# Altium PCB FanSystem-V1.0.PcbDoc (part 1 of 2)
Units mil, origin at the board's own origin, x right, y up, seen from the top; angles counter-clockwise.
Board outline 2755.91 x 2755.91 mil, 2 copper layers (Top Layer, Bottom Layer); 97 components, 83 nets, 334 pads, 122 vias.
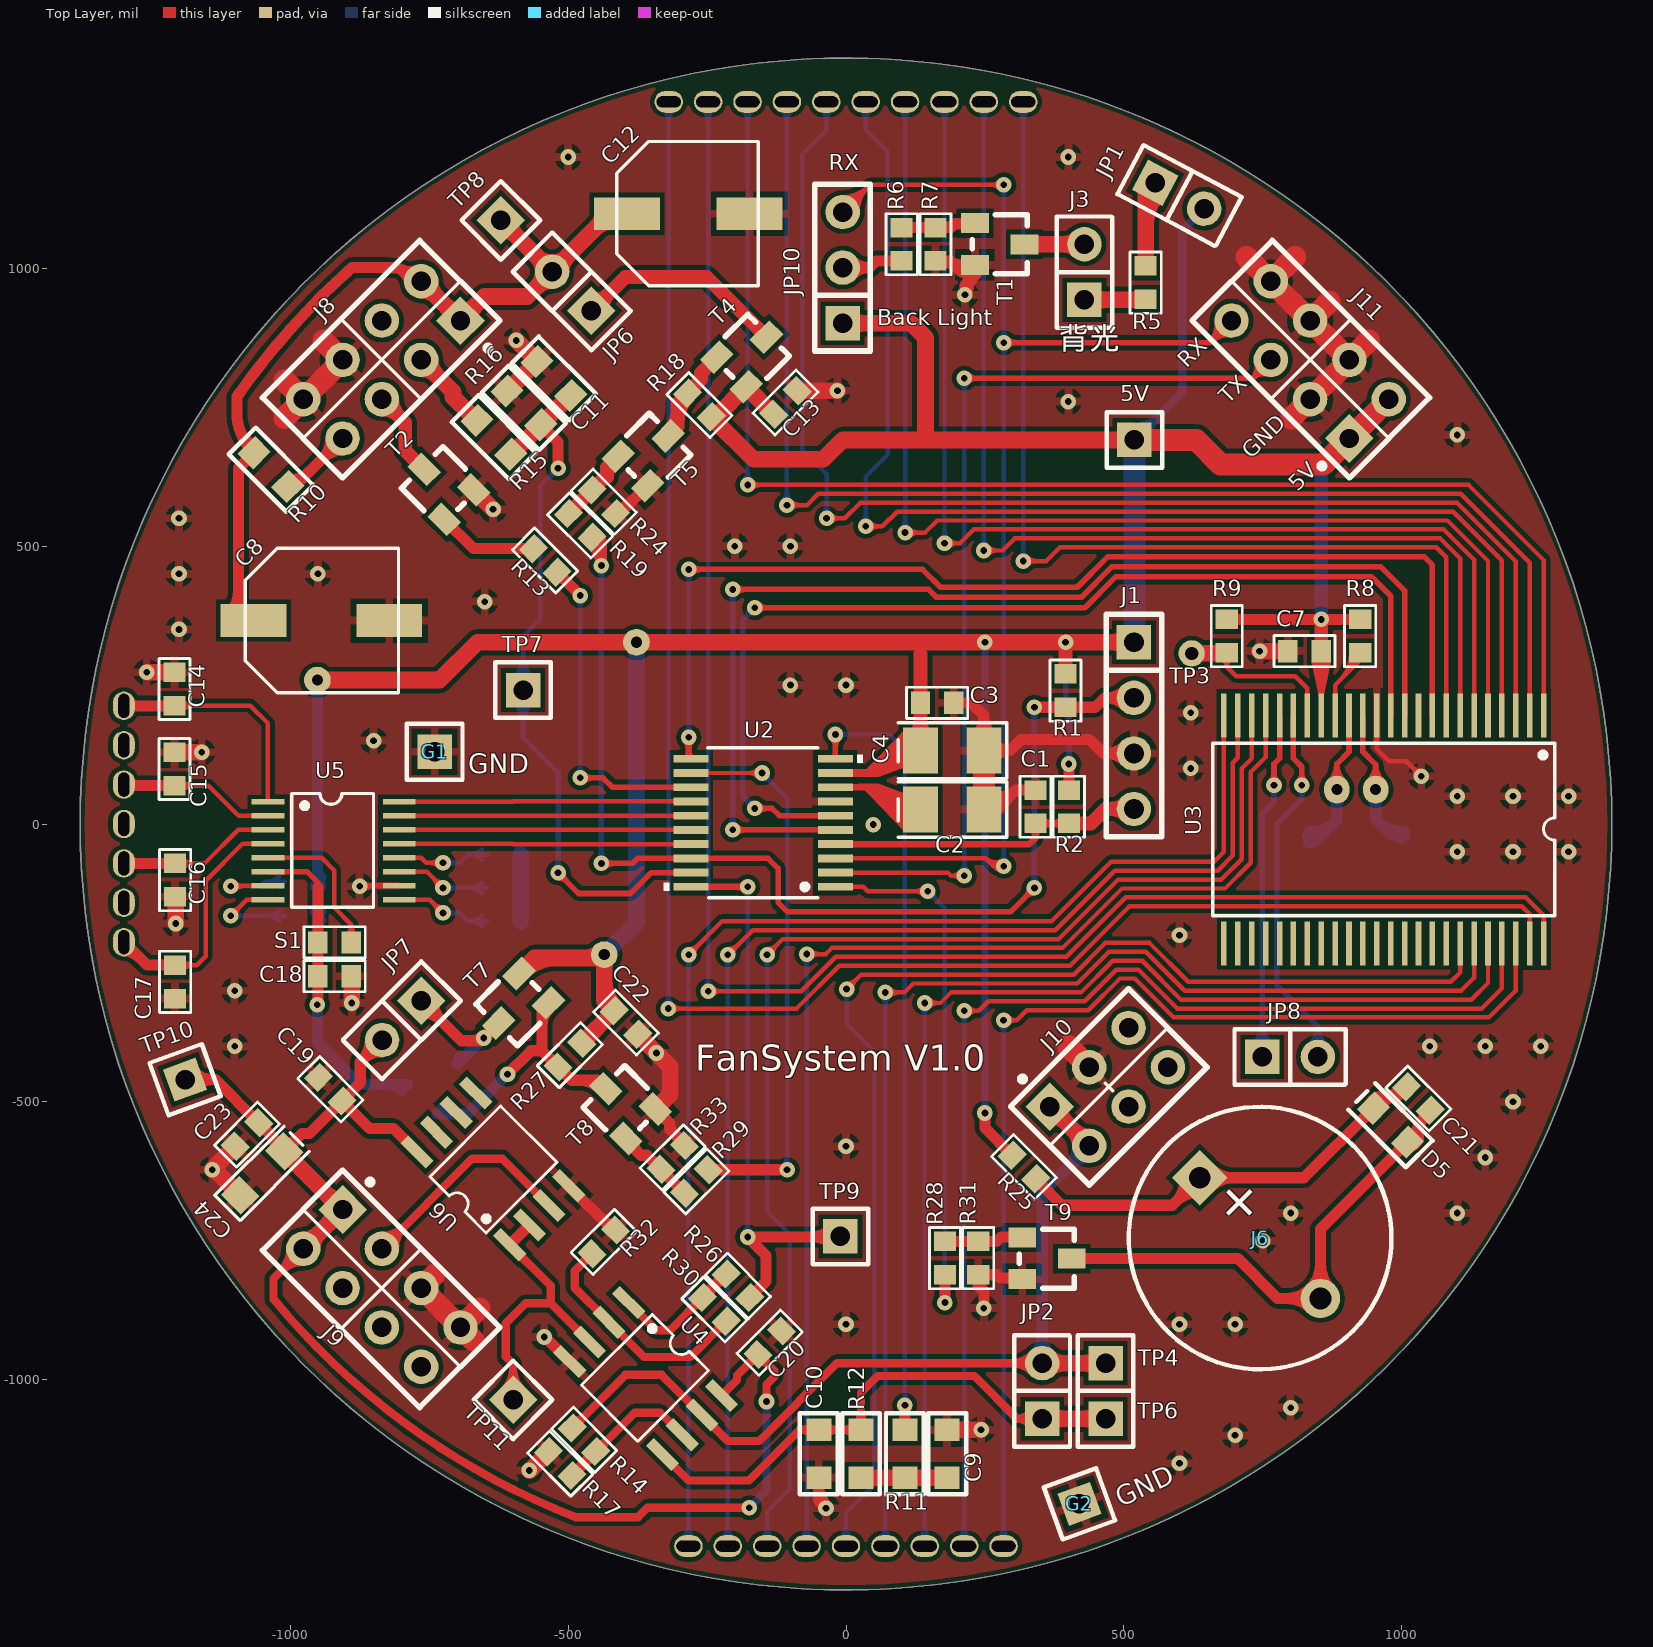
[diagram p0: Top Layer view]
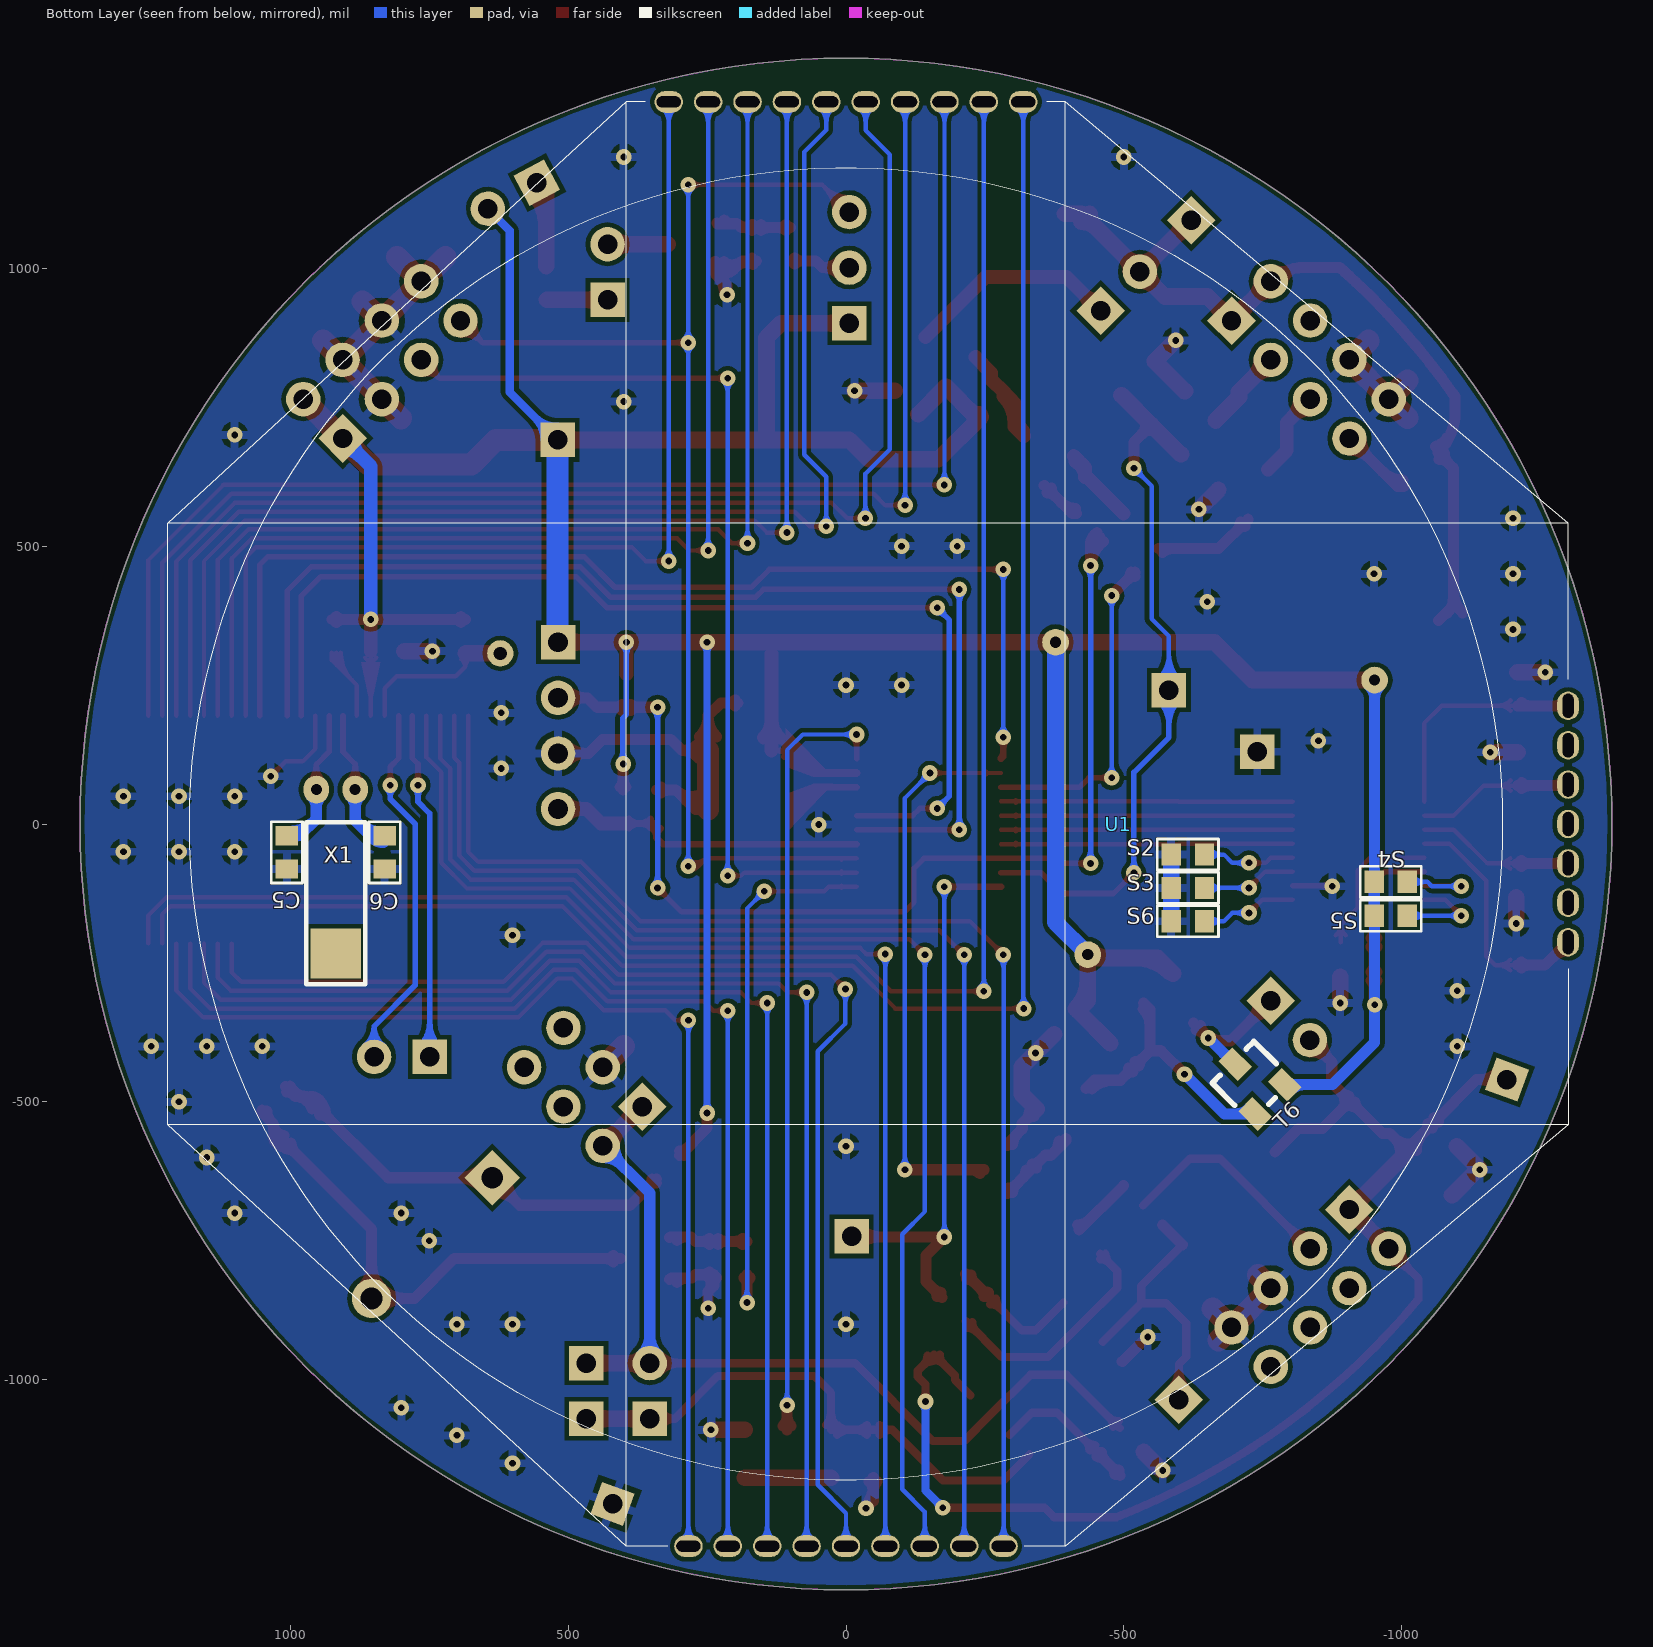
[diagram p1: Bottom Layer view, seen from below]

## Layer stack, top to bottom
Top Layer: signal copper 1.4
Dielectric: dielectric 12.6, FR-4, Dk 4.8
Bottom Layer: signal copper 1.4

## Board outline
-1377.95,0 ccw(c0,0) 0,-1377.95 ccw(c0,0) 1377.95,0 ccw(c0,0) 0,1377.95 ccw(c0,0)

## Design rules (kind name [scope] priority, off if disabled: settings)
Clearance [All] p1: gap=8
ComponentClearance [All] p1: gap=-1 collisioncheckmode=3 verticalgap=-1 showdistances=FALSE
PlaneConnect [All] p1: planeconnectstyle=Relief reliefexpansion=20 reliefentries=4 reliefconductorwidth=15 reliefairgap=10
PolygonConnect [All] p1: connectstyle=Relief reliefconductorwidth=15 reliefentries=4 polygonreliefangle="90 Angle" airgapwidth=10
RoutingVias [All] p1: holewidth=28 width=50 viastyle="Through Hole" minholewidth=28 minwidth=50 maxholewidth=28 maxwidth=50
SolderMaskExpansion [All] p1: expansion=4
Width [All] p1: maxlimit=100 minlimit=6 preferedwidth=8 minimp=50.000000 maximp=50.000000 favimp=50.000000
26 further rules are at their usual default settings.

## Classes and differential pairs
component class peripheral_1: C8 C9 C10 C11 C12 C13 C14 C15 C16 C17 C18 C19 C20 C21 C22 C23 C24 D5 J6 J8 J9 J10 J11 JP2 JP6 JP7 R10 R11 R12 R13 R14 R15 R16 R17 R18 R19 R24 R25 R26 R27 R28 R29 R30 R31 R32 R33 S1 S2 S3 S4 S5 S6 T2 T4 T5 T6 T7 T8 T9 TP4 TP6 TP7 TP8 TP9 TP10 TP11 U4 U5 U6
component class cpu: 5V C1 C2 C3 C4 C5 C6 C7 G1 G2 J1 J3 JP1 JP8 JP10 R1 R2 R5 R6 R7 R8 R9 T1 TP3 U1 U2 U3 X1

## Components (designator, comment, footprint, x,y, rotation, side; value= is the part's Value field where it differs from the comment)
5V "TP" CON1 519,691 r0 top
C1 "10nF" 0603 341,1 r90 top
C2 "2.2uF" 1206+ 134,26 r0 top
C3 "0.1uF" 0603 134,218 r0 top
C4 "2.2uF" 1206+ 134,132 r0 top
C5 "5pF" 0603 1006,-21 r270 bottom
C6 "5pF" 0603 830,-21 r270 bottom
C7 "0.1uF" 0603 855,311 r180 top
C8 "220uF" C+_6.3-7 -873,366 r90 top
C9 "1uF" 0805 182,-1090 r270 top
C10 "1uF" 0805 -49,-1176 r90 top
C11 "1uF" 0805 -556,832 r315 top
C12 "10UF" C+_6.3-5.5 -205,1098 r90 top
C13 "1uF" 0603 -130,737 r45 top
C14 "30pF" 0603 -1208,213 r90 top
C15 "30pF" 0603 -1208,69 r90 top
C16 "30pF" 0603 -1207,-71 r270 top
C17 "30pF" 0603 -1207,-254 r270 top
C18 "104" 0603 -950,-274 r0 top
C19 "104" 0603 -949,-456 r315 top
C20 "104" 0603 -116,-912 r225 top
C21 "104" 0603 1051,-515 r135 top
C22 "1uF" 0603 -417,-336 r315 top
C23 "104" 0603 -1099,-580 r45 top
C24 "C +" C+ -1011,-589 r225 top
D5 "D" D0805 1010.02,-572.3 r135 top
G1 "TP" CON1 -740,130 r90 top
G2 "TP" CON1 420,-1223 r20 top locked
J1 "CON4" CON4_L 518,327 r270 top
J3 "CON2" CON2 429,943 r90 top
J6 "BEEPER" BEEP-D12 745,-745 r315 top locked
J8 "CON4*2" CON4*2 -835,835 r225 top locked
J9 "CON4*2" CON4*2 -835,-835 r315 top locked
J10 "CON3*2" CON3*2 473,-473 r45 top locked
J11 "CON4*2" CON4*2 835,835 r135 top locked
JP1 "JP-2" CON2 556,1154 r332 top
JP2 "JP-2" CON2 353,-1070 r90 top
JP6 "JP-2" CON2 -458,923 r135 top
JP7 "JP-2" CON2 -764,-318 r225 top
JP8 "JP-2" CON2 749,-419 r0 top
JP10 "JP-3" CON3 -6,901 r90 top
R1 "10k" 0603 395,270 r270 top
R2 "10K" 0603 401,61 r270 top
R5 "200" 0603 539,1004 r270 top
R6 "4.7K" 0603 100,1073 r270 top
R7 "10K" 0603 161,1073 r270 top
R8 "10K" 0603 925,308 r90 top
R9 "100K" 0603 685,308 r90 top
R10 "150" 0805 -1065,668 r315 top
R11 "100K" 0805 106,-1090 r270 top
R12 "100K" 0805 27,-1176 r90 top
R13 "1K" 0603 -520,453 r135 top
R14 "470K" 0603 -492.43,-1086.57 r315 top
R15 "100K" 0805 -664,726 r315 top
R16 "100K" 0805 -610,779 r315 top
R17 "47K" 0603 -493,-1172 r135 top
R18 "10K" 0603 -285,775 r315 top
R19 "4.7K" 0603 -457,516 r135 top
R24 "10K" 0603 -457,601 r315 top
R25 "0K" 0603 299,-596 r315 top
R26 "100R" 0603 -173,-852 r135 top
R27 "10K" 0603 -518,-437 r45 top
R28 "4.7K" 0603 178,-751 r270 top
R29 "4.7K" 0603 -248,-622 r225 top
R30 "470K" 0603 -258,-852 r315 top
R31 "10K" 0603 238,-751 r270 top
R32 "47K" 0603 -457,-773 r45 top
R33 "10K" 0603 -333,-621 r45 top
S1 "S" 0603 -890,-213 r180 top
S2 "S" 0603 -585,-55 r180 bottom
S3 "S" 0603 -585,-115 r180 bottom
S4 "S" 0603 -1010,-104 r0 bottom
S5 "S" 0603 -1010,-165 r0 bottom
S6 "S" 0603 -585,-175 r180 bottom
T1 "9013" 9013 321,1043 r270 top
T2 "9013" 9013 -759,638 r45 top
T4 "AO3401" AO3401 -143,876 r315 top
T5 "9013" 9013 -320,698 r315 top
T6 "9012" 9012 -700,-432 r135 bottom
T7 "AO3401" AO3401 -625,-358 r135 top
T8 "9013" 9013 -432,-476 r45 top
T9 "9013" 9013 406,-782 r270 top
TP3 "TP" TP 622,307 r90 top
TP4 "TP" CON1 467,-970 r0 top
TP6 "TP" CON1 467,-1070 r0 top
TP7 "TP" CON1 -581,241 r0 top
TP8 "TP" CON1 -621,1086 r45 top
TP9 "TP" CON1 -10,-742 r180 top
TP10 "TP" CON1 -1189,-460 r20 top
TP11 "TP" CON1 -599,-1036 r135 top
U1 "LCD" LCD-DIP-26 0,0 r180 bottom locked
U2 "STM8S003F3" STM8S003F3 -19,-113 r180 top locked
U3 "HT1621B" HT1621B 1255,195 r180 top locked
U4 "LM358" LM358 -391,-861 r225 top locked
U5 "TTP224" TTP224 -1040,40 r270 top locked
U6 "LF353D" LF353 -605,-757 r45 top locked
X1 "32.728" XTAL-32768 918,-188 r270 bottom

## Footprints (in the part's own frame and the unit in brackets; to place one, negate y for a bottom-side part, rotate by r counter-clockwise, add the part's x,y. Pads: shape width x height; smd on the part's side, far side on the other; paste and mask are expansions set on the pad)
0603 [mil]
  rect 35x40 smd: 1(60,0) 2(0,0)
  silkscreen extent -25,-28 85,28
0805 [mil]
  rect 40x45 smd: 1(0,0) 2(86,0)
  silkscreen extent -30,-34 116,34
1206+ [mm]
  rect 1.6x2.1 smd: A(0,0) K(2.9,0)
  silkscreen extent -1.02,-1.27 3.94,1.27
9012 [mil]
  rect 36x50 smd: 1(-38,-89) 2(37,-89) 3(0,0)
  silkscreen extent -53,-94 53,5
9013 [mil]
  rect 36x50 smd: 1(-38,-89) 2(37,-89) 3(0,0)
  silkscreen extent -53,-94 53,5
AO3401 [mil]
  rect 36x50 smd: D(0,0) G(-38,-89) S(37,-89)
  silkscreen extent -53,-94 53,5
BEEP-D12 [mm]
  rect 1.8x1.8 hole 1: 1(-3.9,0)
  round 1.8 hole 1: 2(3.9,0)
  silkscreen extent -6,-6 6,6
C+ [mm]
  rect 1.2x1.3 smd: A(0,0) K(2.845,0)
  silkscreen extent -0.81,-0.81 3.66,0.81
C+_6.3-5.5 [mm]
  rect 1.5x3 smd: A(0,4.8) K(0,-0.8)
  silkscreen extent -3.3,-1.2 3.3,5.27
C+_6.3-7 [mm]
  rect 1.5x3 smd: A(0,4.9) K(0,-1.3)
  silkscreen extent -3.3,-1.73 3.3,5.27
CON1 [mil]
  rect 62x62 hole 35: 1(0,0)
  silkscreen extent -50,-50 50,50
CON2 [mil]
  rect 62x62 hole 35: 1(0,0)
  round 62 hole 35: 2(100,0)
  silkscreen extent -50,-50 150,50
CON3 [mil]
  rect 62x62 hole 35: 1(0,0)
  round 62 hole 35: 2(100,0) 3(200,0)
  silkscreen extent -50,-50 250,50
CON3*2 [mil]
  rect 62x62 hole 35: 1(-100,50)
  round 62 hole 35: 2(-100,-50) 3(0,50) 4(0,-50) 5(100,50) 6(100,-50)
  silkscreen extent -150,-100 150,125
CON4*2 [mil]
  rect 62x62 hole 35: 1(-150,50)
  round 62 hole 35: 2(-150,-50) 3(-50,50) 4(-50,-50) 5(50,50) 6(50,-50) 7(150,50) 8(150,-50)
  silkscreen extent -200,-104 200,125
CON4_L [mil]
  rect 62x62 hole 35.43: 1(0,0)
  round 62 hole 35.43: 2(100,0) 3(200,0) 4(300,0)
  silkscreen extent -50,-50 350,50
D0805 [mil]
  rect 40x45 smd: A(0,0) K(86,0)
  silkscreen extent -30,-34 116,34
HT1621B [mil]
  rect 10x78.74 smd: 1(0,0) 2(25,0) 3(50,0) 4(75,0) 5(100,0) 6(125,0) 7(150,0) 8(175,0) 9(200,0) 10(225,0) 11(250,0) 12(275,0) 13(300,0) 14(325,0) 15(350,0) 16(375,0) 17(400,0) 18(425,0) 19(450,0) 20(475,0) 21(500,0) 22(525,0) 23(550,0) 24(575,0) 25(575,410) 26(550,410) 27(525,410) 28(500,410) 29(475,410) 30(450,410) 31(425,410) 32(400,410) 33(375,410) 34(350,410) 35(325,410) 36(300,410) 37(275,410) 38(250,410) 39(225,410) 40(200,410) 41(175,410) 42(150,410) 43(125,410) 44(100,410) 45(75,410) 46(50,410) 47(25,410) 48(0,410)
  silkscreen extent -20,50 595,360
LCD-DIP-26 [mm]
  oval 1.3x1 hole 0.5 slot 1.1 at 0 deg: 1(-8.1,33) 2(-6.3,33) 3(-4.5,33) 4(-2.7,33) 5(-0.9,33) 6(0.9,33) 7(2.7,33) 8(4.5,33) 9(6.3,33) 10(8.1,33) 11(-7.2,-33) 12(-5.4,-33) 13(-3.6,-33) 14(-1.8,-33) 15(0,-33) 16(1.8,-33) 17(3.6,-33) 18(5.4,-33) 19(7.2,-33)
  oval 1x1.3 hole 0.5 slot 1.1 at 90 deg: 20(33,-5.4) 21(33,-3.6) 22(33,-1.8) 23(33,0) 24(33,1.8) 25(33,3.6) 26(33,5.4)
  silkscreen extent -31,-33 33.02,33
LF353 [mil]
  rect 20x65 smd: 1(0,0) 2(50,0) 3(100,0) 4(150,0) 5(150,236.22) 6(100,236.22) 7(50,236.22) 8(0,236.22)
  silkscreen extent -15,45 165,188
LM358 [mil]
  rect 20x65 smd: 1(0,0) 2(50,0) 3(100,0) 4(150,0) 5(150,236.22) 6(100,236.22) 7(50,236.22) 8(0,236.22)
  silkscreen extent -15,45 165,188
STM8S003F3 [mm]
  rect 1.6x0.356 smd: 1(0,0) 2(0,-0.65) 3(0,-1.3) 4(0,-1.95) 5(0,-2.6) 6(0,-3.25) 7(0,-3.9) 8(0,-4.55) 9(0,-5.2) 10(0,-5.85) 11(6.6,-5.85) 12(6.6,-5.2) 13(6.6,-4.55) 14(6.6,-3.9) 15(6.6,-3.25) 16(6.6,-2.6) 17(6.6,-1.95) 18(6.6,-1.3) 19(6.6,-0.65) 20(6.6,0)
  silkscreen extent -1.24,-6.35 7.85,0.5
TP [mm]
  round 1.2 hole 0.6: 1(0,0)
TTP224 [mm]
  rect 0.25x1.5 smd: 1(0,0) 2(0.64,0) 3(1.28,0) 4(1.92,0) 5(2.56,0) 6(3.2,0) 7(3.84,0) 8(4.48,0) 9(4.48,6) 10(3.84,6) 11(3.2,6) 12(2.56,6) 13(1.92,6) 14(1.28,6) 15(0.64,6) 16(0,6)
  silkscreen extent -0.38,1.09 4.83,4.83
XTAL-32768 [mil]
  oval 50x46 hole 19.68: 1(-250,-35) 2(-250,35)
  rect 90x90 smd: ""(45,0)
  silkscreen extent -191,-53 100,53

## Part data
C1 C3 C5 C6 C7 C13 C14 C15 C16 C17 C18 C22: library part C, "0603"
C2 C4 C8 C12: library part "C +"
C9 C10 C11 C19 C20 C23: library part C', "0805"
C21: library part C', "0603"
R1 R2 R5 R7 R8 R9: library part R, "0603"
R6 R14 R17 R25 R26 R28 R30 R31 R32: library part R', "0603"
R10 R11 R12 R13 R15 R16 R18 R19 R24 R27 R29 R33: library part R', "0805"
T6: library part PNP
U1: library part LCD-3
U4 U6: "Amps"
X1: library part XTAL

## Free pads (board coordinates)
  round 48 hole 20: 1(-951,259) 1(-435,-235) 1(-377,327)

## Via types
v1: diameter 28, hole 12, Top Layer to Bottom Layer, 122 vias

## Nets (pads, with @x,y where several pads share a name; then routed paths per layer and width w, separated by ;. In a path a pad name is that pad's centre, name@x,y a point inside that pad or via, vN(x,y) a via of type N, cw(c..) or ccw(c..) an arc to the next point about the centre after c; other vN are vias at no path point)
5V: 5V.1 C3.2 C4.A C7.2 C13.2 C18.2 C22.2 J1.1 J11.1 J11.2 JP1.2 JP10.1 pad.1 R1.2 R2.2 R8.1 R9.1 R18.1 R25.2 R27.1 S1.1 S4.1 S5.1 T4.S T6.2 T7.S U2.9 U3.17 U5.6 | length 9876.7
  Top Layer w8: C7.2@845.45,298.95 cw(c822.41,275.91) 855,275.91 cw(c887.59,275.91) C7.2@864.55,298.95 ; U3.17@855,195 C7.2@855,311
  Top Layer w10: U5.6@-1040,-85.98 -969,-85.98 -950,-104.98 -950,-113
  Top Layer w12: C4.A@111.13,120.72 ccw(c93,111.78) 93,132 ; C4.A@111.13,143.28 cw(c93,152.22) 93,132 ; C4.A@119,132 93,132
  Top Layer w15: U2.9@-19,91.72 57,91.72
  Top Layer w20: C18.2@-955.3,-281.8 cw(c-968.11,-294.61) -950,-294.61 cw(c-931.89,-294.61) C18.2@-944.7,-281.8 ; C18.2@-955.3,-266.2 ccw(c-968.11,-253.39) -950,-253.39 ccw(c-931.89,-253.39) C18.2@-944.7,-266.2 ; S1.1@-955.3,-220.8 cw(c-968.11,-233.61) -950,-233.61 cw(c-931.89,-233.61) S1.1@-944.7,-220.8 ; S1.1@-955.3,-205.2 ccw(c-968.11,-192.39) -950,-192.39 ccw(c-931.89,-192.39) S1.1@-944.7,-205.2 ; v1(-951,-325) -950,-324 C18.2@-950,-274 S1.1@-950,-213 -950,-113 ; v1(250,-520) 250,-547 R25.2@299,-596 ; R25.2@291.5,-596 ccw(c273.39,-596) 286.2,-583.2 ccw(c299,-570.39) R25.2@299,-588.5 ; R2.2@395.7,66.3 ccw(c382.89,79.11) 401,79.11 ccw(c419.11,79.11) R2.2@406.3,66.3 ; R2.2@401,61 v1(401,108) ; R9.1@685,368 v1(855,368) R8.1@925,368 ; R9.1@692.8,362.7 cw(c705.61,349.89) 705.61,368 cw(c705.61,386.11) R9.1@692.8,373.3 ; R8.1@917.2,362.7 ccw(c904.39,349.89) 904.39,368 ccw(c904.39,386.11) R8.1@917.2,373.3
  Top Layer w25: C4.A@120.57,155.27 ccw(c88.14,187.7) 134,187.7 ccw(c179.86,187.7) C4.A@147.43,155.27 ; C4.A@134,132 C3.2@134,218 134,306 ; R1.2@395,270 v1@395,320 ; C7.2@855,311 v1(855,368)
  Top Layer w30: pad.1@-951,259 -731,259 -663,327 pad.1@-377,327 v1(250,327) v1(395,327) J1.1@518,327 ; T7.S@-588.23,-268.9 -560.33,-241 -441,-241 pad.1@-435,-235 -435,-318 C22.2@-417,-336 R27.1@-475.57,-394.57 ; T7.S@-581.16,-266.08 cw(c-520.62,-326.62) -520.62,-241 ; -471.21,-241 ccw(c-471.21,-198.79) pad.1@-441.36,-228.64 ; -435,-280.47 ccw(c-361.47,-280.47) C22.2@-413.46,-332.46 ; R18.1@-240.81,736.84 ccw(c-240.81,763.33) -222.07,744.6 ; C13.2@-130,737 -179.77,786.77 T4.S@-179.77,786.9 -234.1,732.57 R18.1@-242.57,732.57 -166,656 -41,656 -6,691 143,691 ; JP10.1@-6,901 117,901 143,875 143,691 ; JP10.1@5.31,889.69 cw(c32.63,862.37) 32.63,901 cw(c32.63,939.63) JP10.1@5.31,912.31 ; J1.1@506.69,315.69 ccw(c479.37,288.37) 479.37,327 ccw(c479.37,365.63) J1.1@506.69,338.31 ; 5V.1@507.69,679.69 ccw(c480.37,652.37) 480.37,691 ccw(c480.37,729.63) 5V.1@507.69,702.31 ; 5V.1@519,691 143,691
  Top Layer w40: 5V.1@519,691 630,691 ; 631,690 674,647 859.13,647 J11.1@905.71,693.58 J11.2@976.42,764.29
  Bottom Layer w8: v1(855,368) v1@855,371
  Bottom Layer w10: v1@388.64,320.64 cw(c373.27,305.27) 395,305.27 cw(c416.73,305.27) v1@401.36,320.64 ; v1@394.64,114.36 ccw(c376.86,132.14) 402,132.14 ; v1(395,327) 395,197 402,190 402,109 v1(401,108) ; 402,127.31 ccw(c420.31,127.31) v1@407.36,114.36
  Bottom Layer w12: v1@244.34,-514.34 ccw(c230.69,-500.69) 250,-500.69 ccw(c269.31,-500.69) v1@255.66,-514.34 ; v1@244.34,321.34 cw(c230.69,307.69) 250,307.69 cw(c269.31,307.69) v1@255.66,321.34 ; v1(250,-520) v1(250,327)
  Bottom Layer w15: 5V.1@519,691 605,777 605,1067.76 JP1.2@644.29,1107.05 ; 5V.1@519,714.5 ccw(c519,771.23) 559.12,731.12 ccw(c599.23,691) 5V.1@542.5,691
  Bottom Layer w20: pad.1@-960.9,249.1 cw(c-984.8,225.2) -951,225.2 cw(c-917.2,225.2) pad.1@-941.1,249.1 ; S5.1@-955.3,-157.2 ccw(c-968.11,-144.39) -950,-144.39 ccw(c-931.89,-144.39) -944.7,-157.2 cw(c-929.48,-141.98) -951,-141.98 ; S4.1@-955.3,-111.8 cw(c-968.11,-124.61) -950,-124.61 cw(c-931.89,-124.61) -944.7,-111.8 ccw(c-929.48,-127.02) -951,-127.02 ; -951,-188.02 cw(c-929.48,-188.02) S5.1@-944.7,-172.8 ; -951,-80.98 ccw(c-929.48,-80.98) S4.1@-944.7,-96.2 ; pad.1@-951,259 v1(-951,-325) -951,-393 -875.23,-468.77 T6.2@-789.1,-468.77 ; S5.1@-950,-165 S4.1@-950,-104 ; -825.31,-468.77 cw(c-825.31,-504.98) T6.2@-799.7,-479.38
  Bottom Layer w25: v1@855,371 855,642.87 J11.1@905.71,693.58 ; J11.1@887.21,693.58 cw(c842.55,693.58) 874.13,662 cw(c905.71,630.42) J11.1@905.71,675.08
  Bottom Layer w30: pad.1@-435,-235 -377,-177 pad.1@-377,327
  Bottom Layer w40: J1.1@519,328 5V.1@519,691
BEEPER: R28.1 U2.1 | length 1125.7
  Top Layer w8: U2.1@-19,-113 31,-113 39,-121 v1(147,-121) ; U2.1@7.62,-115.12 cw(c12.74,-120.24) 12.74,-113 cw(c12.74,-105.76) U2.1@7.62,-110.88 ; v1@139.93,-128.07 ccw(c122.86,-145.14) 122.86,-121 ccw(c122.86,-96.86) v1@139.93,-113.93
  Top Layer w20: R28.1@172.7,-816.3 cw(c159.89,-829.11) 178,-829.11 cw(c196.11,-829.11) R28.1@183.3,-816.3 ; v1(178,-861) R28.1@178,-811
  Bottom Layer w8: v1@147,-131 cw(c147,-155.14) 164.07,-138.07 cw(c181.14,-121) v1@157,-121 ; v1(147,-121) 178,-152 v1(178,-861) ; v1@170.93,-853.93 ccw(c153.86,-836.86) 178,-836.86 ccw(c202.14,-836.86) v1@185.07,-853.93
GND: C1.1 C2.K C3.1 C4.K C5.1 C6.1 C7.1 C8.K C9.1 C10.1 C11.1 C12.K C13.1 C14.1 C15.1 C16.1 C17.1 C18.1 C19.2 C20.2 C22.1 C23.2 C24.K G1.1 G2.1 J1.3 J8.6 J8.8 J9.5 J9.7 J10.3 J11.3 J11.4 J11.6 J11.8 R7.1 R16.1 R17.1 R24.1 R31.1 R32.1 R33.1 S2.2 S3.2 S6.2 T1.2 T2.2 T5.2 T8.2 T9.2 U2.7 U3.13 U4.4 U5.10 U6.4 | length 4716.4
  Top Layer w8: U3.13@955,195 955,135 977,113 1008,113 v1(1035,86) ; v1@1025,86 ccw(c1000.86,86) 1017.93,103.07 ccw(c1035,120.14) v1@1035,96
  Top Layer w10: v1(-875,-112) -874.18,-111.18 U5.10@-803.78,-111.18 ; v1@-868.64,-118.36 cw(c-851.3,-135.7) -851.3,-111.18 ; v1@-868.64,-105.64 ccw(c-855.25,-92.25) -855.25,-111.18
  Top Layer w20: v1@-541.13,-923 U4.4@-497.07,-967.07 ; U6.4@-498.93,-650.93 R32.1@-419.29,-730.57 ; -437.2,-712.66 ccw(c-416.34,-691.8) R32.1@-416.34,-721.31 ; R24.1@-414.57,558.57 -407.1,558.57 T5.2@-356.77,608.9 ; R24.1@-412.81,567.84 ccw(c-412.81,603.99) -387.25,578.43 ; T5.2@-369.72,603.95 cw(c-389.03,603.95) -375.38,590.3 cw(c-361.72,576.64) T5.2@-361.72,595.95 ; T8.2@-342.9,-512.77 -317,-538.67 -317,-549 -290.57,-575.43 R33.1@-290.57,-578.57 ; T8.2@-337.95,-525.72 cw(c-337.95,-545.03) -324.3,-531.38 cw(c-310.64,-517.72) T8.2@-329.95,-517.72 ; -307.37,-558.63 cw(c-325.55,-576.81) R33.1@-299.84,-576.81 ; C10.1@-56.07,-1183.07 cw(c-73.14,-1200.14) -49,-1200.14 cw(c-24.86,-1200.14) C10.1@-41.93,-1183.07 ; C10.1@-49,-1189.96 ccw(c5.04,-1189.96) v1@-33.17,-1228.17 ; C10.1@-49,-1176 -49,-1218 v1(-36,-1231) ; R7.1@161,1013 187,1013 ; R7.1@167.39,1006.58 cw(c179.91,985.91) 197,1003 ; R7.1@168.8,1007.7 cw(c181.61,994.89) 181.61,1013 cw(c181.61,1031.11) R7.1@168.8,1018.3 ; C3.1@194,218 225,218 248.17,194.83 C4.K@248.17,132 295,132 ; 198.44,1003 ccw(c198.44,1032.56) T1.2@219.34,1011.66 ; C3.1@199.3,212.7 cw(c212.11,199.89) 212.11,218 cw(c212.11,236.11) C3.1@199.3,223.3 ; 202.04,997.96 ccw(c218,1013.92) T1.2@232.95,997.01 ; v1(214,952) 214,969 ; v1@218,952.09 cw(c265.83,953.17) 232,987 ; T1.2@218.12,1001.91 cw(c194.89,988.11) 214,969 ; T1.2@219.7,1011.99 cw(c203.89,1029.88) 187,1013 ; T1.2@226.41,1000.28 cw(c213.44,987) 232,987 ; 232.19,987.19 ccw(c217.71,1001.67) T1.2@235.32,1012.13 ; R31.1@232.7,-816.3 cw(c219.89,-829.11) 238,-829.11 cw(c256.11,-829.11) R31.1@243.3,-816.3 ; C4.K@232.97,157.04 ccw(c196.28,193.74) 248.17,193.74 ccw(c300.07,193.74) C4.K@263.37,157.04 ; T1.2@237.59,1000.28 ccw(c250.56,987) 232,987 ; R31.1@245.8,-816.3 cw(c258.61,-829.11) 258.61,-811 cw(c258.61,-792.89) R31.1@245.8,-805.7 ; R31.1@246.42,-815.61 ccw(c261.59,-827.41) 248,-841 ; v1(248,-871) 248,-841 ; C2.K@248.17,26 271,26 306,61 ; C2.K@248.91,37.15 ccw(c264.7,65.08) 287.39,42.39 ; C2.K@258.75,54.56 ccw(c278.14,88.86) 306,61 ; C4.K@264.47,117.99 cw(c295,91.75) 295,132 ; C4.K@264.47,146.01 ccw(c295,172.25) 295,132 ; 285.86,-817 cw(c285.86,-843.14) T9.2@304.34,-824.66 ; T9.2@317,-819 315,-817 277,-817 271,-811 R31.1@238,-811 238,-831 248,-841 ; C1.1@333.2,55.7 ccw(c320.39,42.89) 320.39,61 ccw(c320.39,79.11) C1.1@333.2,66.3 ; C1.1@341,61 306,61 ; J1.3@503.15,112.15 ccw(c467.3,76.3) 467.3,127 ccw(c467.3,177.7) J1.3@503.15,141.85 ; J1.3@518,127 463,127 438,152 315,152 295,132 ; 187,1013 197,1003 ; 197,1003 229,1003 T1.2@232,1006 232,987 ; 214,969 232,987
  Top Layer w30: v1(-1258,273) C14.1@-1208,273 ; C15.1@-1208,129 v1(-1159,129) ; v1(-1206,-179) C16.1@-1206,-132 ; C23.2@-1099,-580 -1140,-621 v1(-1140,-622) -1136.39,-622 C24.K@-1090.2,-668.2 ; v1(-889,-322) C18.1@-889,-275 ; T2.2@-669.9,601.23 v1@-635,566.33 ; R16.1@-610,779 -609,779 C11.1@-556,832 -556,833 v1(-593,870) ; v1(-570,-1163) -568.85,-1163 R17.1@-535.43,-1129.57 ; C22.1@-374.57,-378.43 v1(-341,-412) -316,-437 -316,-485.87 T8.2@-342.9,-512.77 ; C13.1@-87.57,779.43 v1(-15.43,779.43) ; C9.1@182,-1090 v1(243,-1090) ; v1(744,311) C7.1@795,311
  Top Layer w40: -1010,730.71 J8.8@-976.42,764.29 ; -1010,797.87 J8.8@-976.42,764.29 ; J8.8@-976.42,766.42 J8.8@-976.42,764.29 ; -940,869.29 J8.6@-905.71,835 J8.8@-976.42,764.29 ; -741.05,-811.76 J9.5@-764.29,-835 J9.7@-693.58,-905.71 ; -670.34,-928.95 J9.7@-693.58,-905.71 ; -660,-872.13 J9.7@-693.58,-905.71 ; C2.K@248.17,26 C4.K@248.17,132 ; 400,-400 J10.3@437.64,-437.64 ; 720.71,1020 J11.8@764.29,976.42 ; 800.71,730 J11.3@835,764.29 J11.4@905.71,835 ; 807.87,1020 J11.8@764.29,976.42 ; 870,940 835.71,905.71 J11.6@835,905.71 ; J11.4@905.71,845.71 J11.4@905.71,835 ; 940.71,870 J11.4@905.71,835 ; J11.8@764.29,976.42 J11.6@835,905.71 ; J11.6@835,905.71 J11.4@905.71,835
  Bottom Layer w30: S6.2@-585,-175 S3.2@-585,-115 S2.2@-585,-55
  other v1: 600,-1150 700,-1100 800,-1050 -543,-923 0,-900 600,-900 700,-900 750,-750 800,-700 1100,-700 1150,-600 0,-580 1200,-500 -1100,-400 1050,-400 1150,-400 1250,-400 -1100,-300 600,-200 1100,-50 1200,-50 1300,-50 49,-1 1100,50 1200,50 1300,50 620,100 -850,150 620,200 -100,250 0,250 -1200,350 -650,400 -1200,450 -950,450 -200,500 -100,500 -1200,550 -635,566 1100,700 400,760 -500,1200 400,1200
GP2Y1014-ADC: C11.2 R15.2 R16.2 TP7.1 U2.19 | length 1771.1
  Top Layer w10: v1@-518,-97 cw(c-518,-118.73) -502.64,-103.36 cw(c-487.27,-88) v1@-509,-88 ; v1(-518,-88) -481,-125 -388,-125 -350.41,-87.41 U2.19@-278.84,-87.41
  Top Layer w20: R16.2@-549.19,708.19 cw(c-549.19,684.05) -532.12,701.12 cw(c-515.05,718.19) R16.2@-539.19,718.19 ; R16.2@-549.19,718.19 -518,687 v1(-518,640)
  Top Layer w30: R15.2@-603.19,665.19 -602.19,665.19 R16.2@-549.19,718.19 -496.19,771.19 C11.2@-495.19,771.19
  Bottom Layer w8: TP7.1@-600.09,260.09 ccw(c-646.18,306.18) -581,306.18 ccw(c-515.82,306.18) TP7.1@-561.91,260.09 ; TP7.1@-594.44,254.44 ccw(c-626.87,286.87) -581,286.87 ccw(c-535.13,286.87) TP7.1@-567.56,254.44 ; TP7.1@-581,241 -581,338 -550,369 -550,608 v1(-518,640) ; v1@-528,640 cw(c-552.14,640) -535.07,622.93 cw(c-518,605.86) v1@-518,630
  Bottom Layer w10: TP7.1@-599.38,222.62 cw(c-643.77,178.23) -581,178.23 cw(c-518.23,178.23) TP7.1@-562.62,222.62 ; TP7.1@-592.31,229.69 cw(c-619.63,202.37) -581,202.37 cw(c-542.37,202.37) TP7.1@-569.69,229.69 ; TP7.1@-581,241 -581,156 -518,93 v1(-518,-88) ; v1@-524.36,-81.64 ccw(c-539.73,-66.27) -518,-66.27 ccw(c-496.27,-66.27) v1@-511.64,-81.64
GP2Y1014-LED: R13.2 U2.13 | length 732
  Top Layer w10: v1(-478,83) -437,83 -420.13,66.13 U2.13@-278.84,66.13 ; v1@-471.64,76.64 cw(c-456.27,61.27) -456.27,83 cw(c-456.27,104.73) v1@-471.64,89.36
  Top Layer w20: R13.2@-520,445.5 cw(c-520,427.39) -507.2,440.2 cw(c-494.39,453) R13.2@-512.5,453 ; R13.2@-520,453 v1(-478,411)
  Bottom Layer w8: v1@-485.07,90.07 ccw(c-502.14,107.14) -478,107.14 ccw(c-453.86,107.14) v1@-470.93,90.07 ; v1@-485.07,403.93 cw(c-502.14,386.86) -478,386.86 cw(c-453.86,386.86) v1@-470.93,403.93 ; v1(-478,83) v1(-478,411)
GP2Y1014_5V: C8.A C12.A J8.1 J8.2 JP6.2 R10.1 TP8.1 | length 2201.5
  Top Layer w20: C8.A@-1109.25,379.81 ccw(c-1148.48,419.04) -1093,419.04 ; -1093,407.25 ccw(c-1054.19,407.25) C8.A@-1081.63,379.81 ; -1090.8,775.86 ccw(c0,0) -1095.9,768.64 ; -1081.53,695.45 ccw(c-1051.74,712.65) R10.1@-1060.64,679.43 ; R10.1@-1076.77,666.23 cw(c-1100.91,666.23) -1083.84,649.16 cw(c-1066.77,632.09) R10.1@-1066.77,656.23 ; C8.A@-1065.91,366 -1093,393.09 -1093,640 R10.1@-1065,668 -1066.61,669.61 cw(c-995.9,740.32) -1095.9,740.32 -1095.9,768.64 ; -905.65,985.7 cw(c0,0) -888.31,1001.35 ; J8.2@-785.03,973.12 ccw(c-820.3,967.52) -802.44,998.45 ccw(c-784.59,1029.38) J8.2@-771.8,996.03 ; J8.2@-764.29,976.42 ccw(c-824.48,916.23) -824.48,1001.35 -888.31,1001.35 ; -1095.9,768.64 cw(c0,0) -888.31,1001.35
  Top Layer w30: J8.2@-764.29,960.42 cw(c-764.29,921.79) -736.98,949.11 cw(c-709.66,976.42) J8.2@-748.29,976.42 ; J8.2@-764.29,976.42 J8.1@-693.58,905.71 -650.29,949 -573.42,949 JP6.2@-528.71,993.71 ; J8.1@-709.58,905.71 ccw(c-748.21,905.71) -720.89,933.02 ccw(c-693.58,960.34) -693.58,921.71 ccw(c-693.58,960.34) -666.26,933.02 ccw(c-638.95,905.71) J8.1@-677.58,905.71 ; TP8.1@-621,1070 cw(c-621,1031.37) -593.69,1058.69 cw(c-566.37,1086) TP8.1@-605,1086 ; TP8.1@-621,1086 JP6.2@-528.71,993.71 ; JP6.2@-528.71,977.71 ccw(c-528.71,939.08) -556.02,966.4 ccw(c-583.34,993.71) -544.71,993.71 ccw(c-583.34,993.71) -556.02,1021.02 ccw(c-528.71,1048.34) -528.71,1009.71 ccw(c-528.71,1048.34) -501.4,1021.02 ccw(c-474.08,993.71) JP6.2@-512.71,993.71 ; C12.A@-449.87,1072.55 cw(c-423.5,1046.19) C12.A@-423.5,1083.47 ; C12.A@-447.66,1074.77 ccw(c-470.89,1098) C12.A@-438.03,1098 ; C12.A@-393.98,1098 -424.42,1098 JP6.2@-528.71,993.71
GP2Y1014_VDD_EN: J1.2 R1.1 R19.2 U2.18 | length 2431.2
  Top Layer w10: v1(-440,-71) -384,-71 -374.82,-61.82 U2.18@-278.84,-61.82 -140.18,-61.82 -122,-80 -122,-141 -105,-158 296,-158 v1(339,-115) ; v1@-433.64,-77.36 cw(c-418.27,-92.73) -418.27,-71 cw(c-418.27,-49.27) v1@-433.64,-64.64 ; v1@330,-115 cw(c308.27,-115) 323.64,-130.36 cw(c339,-145.73) v1@339,-124
  Top Layer w20: R19.2@-463.28,508.24 cw(c-498.47,461.55) v1@-440,461.55 ; R19.2@-457,508.5 cw(c-457,490.39) -444.2,503.2 cw(c-431.39,516) R19.2@-449.5,516 ; R19.2@-457,516 -440,499 v1(-440,465) ; R19.2@-451.24,524.21 cw(c-468.24,501.66) -440,501.66 ; v1(339,210) R1.1@395,210 448,210 465,227 J1.2@518,227 ; R1.1@387.2,204.7 ccw(c374.39,191.89) 374.39,210 ccw(c374.39,228.11) R1.1@387.2,215.3 ; R1.1@402.8,204.7 cw(c415.61,191.89) 415.61,210 cw(c415.61,228.11) R1.1@402.8,215.3 ; J1.2@503.15,212.15 ccw(c467.3,176.3) 467.3,227 ccw(c467.3,277.7) J1.2@503.15,241.85
  Bottom Layer w10: v1@-446.36,-64.64 ccw(c-461.73,-49.27) -440,-49.27 ccw(c-418.27,-49.27) v1@-433.64,-64.64 ; v1@-446.36,458.64 cw(c-461.73,443.27) -440,443.27 cw(c-418.27,443.27) v1@-433.64,458.64 ; v1(-440,-71) v1(-440,465) ; v1@332.64,-108.64 ccw(c317.27,-93.27) 339,-93.27 ccw(c360.73,-93.27) v1@345.36,-108.64 ; v1@332.64,203.64 cw(c317.27,188.27) 339,188.27 cw(c360.73,188.27) v1@345.36,203.64 ; v1(339,-115) v1(339,210)
LCD-BACK-LIGHT: J11.7 JP10.3 U2.3 | length 2908.9
  Top Layer w8: U2.3@-19,-61.82 -18.59,-61.41 251.41,-61.41 ; JP10.3@-6,1101 43,1150 v1(284,1150) ; JP10.3@-6,1120 ccw(c-6,1165.87) 26.44,1133.44 ccw(c58.87,1101) JP10.3@13,1101 ; JP10.3@-6,1128 ccw(c-6,1193.18) 40.09,1147.09 ccw(c86.18,1101) JP10.3@21,1101 ; U2.3@7.62,-63.94 cw(c13.73,-70.05) 13.73,-61.41 ; 259.71,-69.71 ccw(c274.73,-54.7) v1@283.2,-74.17 ; 268.02,-78.02 ccw(c279.76,-66.27) v1@286.4,-81.5 ; v1@275.51,-81.28 ccw(c266,-87.2) 266,-76 ; v1@275.51,-70.72 cw(c266,-64.8) 266,-76 ; v1@276.93,1142.93 ccw(c259.86,1125.86) 259.86,1150 ccw(c259.86,1174.14) v1@276.93,1157.07 ; v1@280.01,-66.83 cw(c269.69,-43.13) 251.41,-61.41 ; v1(284,-76) 266,-76 ; 251.41,-61.41 266,-76
  Top Layer w10: v1(284,866) 653.87,866 ; v1@290.36,859.64 cw(c305.73,844.27) 305.73,866 cw(c305.73,887.73) v1@290.36,872.36 ; J11.7@667.67,903.59 cw(c620.18,899.69) 653.87,866 ; J11.7@677.63,904.4 cw(c648.41,902.01) 669.14,881.27 cw(c689.88,860.54) J11.7@692.27,889.76 ; J11.7@691.45,879.8 ccw(c687.56,832.31) 653.87,866 ; J11.7@693.58,905.71 653.87,866
  Bottom Layer w8: v1@276.93,-68.93 ccw(c259.86,-51.86) 284,-51.86 ccw(c308.14,-51.86) v1@291.07,-68.93 ; v1@276.93,858.93 cw(c259.86,841.86) 284,841.86 cw(c308.14,841.86) v1@291.07,858.93 ; v1@276.93,873.07 ccw(c259.86,890.14) 284,890.14 ccw(c308.14,890.14) v1@291.07,873.07 ; v1@276.93,1142.93 cw(c259.86,1125.86) 284,1125.86 cw(c308.14,1125.86) v1@291.07,1142.93 ; v1(284,-76) v1(284,866) v1(284,1150)
LCD_BZ+: JP8.2 U3.19 | length 866.6
  Top Layer w10: U3.19@805,195 805,118 820,103 v1(820,70) ; v1@813.64,76.36 ccw(c798.27,91.73) 820,91.73 ccw(c841.73,91.73) v1@826.36,76.36
  Bottom Layer w10: v1@813.64,63.64 cw(c798.27,48.27) 820,48.27 cw(c841.73,48.27) v1@826.36,63.64 ; v1(820,70) 820,45 775,0 775,-290 849,-364 ; JP8.2@832.5,-398.91 ccw(c803.83,-364) 849,-364 ; JP8.2@838.85,-406.64 ccw(c821.2,-385.16) 849,-385.16 ccw(c876.8,-385.16) JP8.2@859.15,-406.64 ; JP8.2@849,-419 849,-364 ; JP8.2@865.5,-398.91 cw(c894.17,-364) 849,-364
LCD_BZ-: JP8.1 U3.20 | length 854.4
  Top Layer w10: v1@763.64,76.36 ccw(c748.27,91.73) 770,91.73 ccw(c791.73,91.73) v1@776.36,76.36 ; v1(770,70) 770,108 780,118 U3.20@780,195
  Bottom Layer w10: JP8.1@730.62,-400.62 ccw(c686.23,-356.23) 749,-356.23 ccw(c811.77,-356.23) JP8.1@767.38,-400.62 ; JP8.1@737.69,-407.69 ccw(c710.37,-380.37) 749,-380.37 ccw(c787.63,-380.37) JP8.1@760.31,-407.69 ; JP8.1@749,-419 749,19 770,40 v1(770,70) ; v1@763.64,63.64 cw(c748.27,48.27) 770,48.27 cw(c791.73,48.27) v1@776.36,63.64
LCD_COM0: U1.16 U3.21 | length 2343.5
  Top Layer w8: v1(-70.87,-234) -36.25,-234 -25.25,-223 389.61,-223 496.61,-116 681.88,-116 728,-69.88 728,93.37 755,120.37 U3.21@755,195 ; v1@-63.8,-241.07 cw(c-46.72,-258.14) -46.72,-234 cw(c-46.72,-209.86) v1@-63.8,-226.93
  Bottom Layer w8: U1.16@-81.96,-1288.12 ccw(c-108.73,-1261.35) -70.87,-1261.35 ccw(c-33,-1261.35) U1.16@-59.78,-1288.12 ; v1@-77.94,-241.07 cw(c-95.01,-258.14) -70.87,-258.14 cw(c-46.72,-258.14) v1@-63.8,-241.07 ; U1.16@-70.87,-1299.21 v1(-70.87,-234)
LCD_COM1: U1.17 U3.22 | length 2424.2
  Top Layer w8: v1(-142,-235) -114,-207 382.98,-207 489.98,-100 675.25,-100 712,-63.25 712,100 730,118 U3.22@730,195 ; v1@-142,-225 ccw(c-142,-200.86) -124.93,-217.93 ccw(c-107.86,-235) v1@-132,-235
  Bottom Layer w8: U1.17@-152.82,-1288.12 ccw(c-179.6,-1261.35) -141.73,-1261.35 ccw(c-103.87,-1261.35) U1.17@-130.64,-1288.12 ; v1@-149.07,-242.07 cw(c-166.14,-259.14) -142,-259.14 cw(c-117.86,-259.14) v1@-134.93,-242.07 ; v1(-142,-235) -142,-697 -101,-738 -101,-1197 -141.73,-1237.73 U1.17@-141.73,-1299.21
LCD_COM2: U1.18 U3.23 | length 2438.8
  Top Layer w8: v1(-213,-235) -212,-235 -168,-191 376.35,-191 483.35,-84 668.63,-84 696,-56.63 696,110 705,119 U3.23@705,195 ; v1@-213,-225 ccw(c-213,-198.44) -194.22,-217.22 ; v1@-203,-235 cw(c-181.27,-235) -196.64,-219.64
  Bottom Layer w8: U1.18@-223.69,-1288.12 ccw(c-250.47,-1261.35) -212.6,-1261.35 ccw(c-174.73,-1261.35) U1.18@-201.51,-1288.12 ; v1@-220.07,-242.07 cw(c-238.11,-260.11) -212.6,-260.11 ; U1.18@-212.6,-1299.21 v1@-212.6,-234 ; -212.6,-258.17 cw(c-189.83,-258.17) v1@-205.93,-242.07
LCD_COM3: U1.19 U3.24 | length 2484.2
  Top Layer w8: v1(-283,-235) -223,-175 369.73,-175 476.73,-68 662,-68 680,-50 680,-15.13 U3.24@680,195 ; v1@-283,-225 ccw(c-283,-200.86) -265.93,-217.93 ccw(c-248.86,-235) v1@-273,-235
  Bottom Layer w8: U1.19@-294.56,-1288.12 ccw(c-321.33,-1261.35) -283.46,-1261.35 ccw(c-245.6,-1261.35) U1.19@-272.37,-1288.12 ; v1@-290.07,-242.07 cw(c-306.02,-258.02) -283.46,-258.02 ; U1.19@-283.46,-1299.21 v1@-283.46,-235 ; -283.46,-260.26 cw(c-257.74,-260.26) v1@-275.93,-242.07
LCD_CS: U2.11 U3.9 | length 2147
  Top Layer w10: v1(-283,458) 138,458 170,426 416,426 471,481 1040,481 1055,466 U3.9@1055,195 ; v1@-276.64,451.64 cw(c-261.27,436.27) -261.27,458 cw(c-261.27,479.73) v1@-276.64,464.36
  Top Layer w12: v1@-288.66,150.34 cw(c-302.31,136.69) -283,136.69 cw(c-263.69,136.69) v1@-277.34,150.34 ; -283,129.77 ccw(c-266.39,129.77) U2.11@-278.14,118.02 ; v1(-283,156) -283,121.47 U2.11@-278.84,117.32
  Bottom Layer w8: v1@-290.07,163.07 ccw(c-307.14,180.14) -283,180.14 ccw(c-258.86,180.14) v1@-275.93,163.07 ; v1@-290.07,450.93 cw(c-307.14,433.86) -283,433.86 cw(c-258.86,433.86) v1@-275.93,450.93 ; v1(-283,156) v1(-283,458)
LCD_DATA: U2.6 U3.12 | length 2062.8
  Top Layer w10: v1(-164,28) -133,28 -119.95,14.95 U2.6@-19,14.95 ; v1(-164,389) 429.91,389 485.91,445 945,445 980,410 U3.12@980,195 ; v1@-157.64,21.64 cw(c-142.27,6.27) -142.27,28 cw(c-142.27,49.73) v1@-157.64,34.36 ; v1@-157.64,382.64 cw(c-142.27,367.27) -142.27,389 cw(c-142.27,410.73) v1@-157.64,395.36
  Bottom Layer w10: v1@-173,28 ccw(c-194.73,28) -179.36,43.36 ccw(c-164,58.73) v1@-164,37 ; v1@-173,389 cw(c-194.73,389) -179.36,373.64 cw(c-164,358.27) v1@-164,380 ; v1(-164,28) -186,50 -186,367 v1(-164,389)
LCD_S0: U1.1 U3.8 | length 2025.4
  Top Layer w8: v1(318.9,473.1) 360.1,473.1 385,498 1062.12,498 1080,480.12 U3.8@1080,195 ; v1@325.97,466.03 cw(c343.04,448.96) 343.04,473.1 cw(c343.04,497.24) v1@325.97,480.17
  Bottom Layer w8: U1.1@307.81,1288.12 cw(c281.03,1261.35) 318.9,1261.35 cw(c356.76,1261.35) U1.1@329.99,1288.12 ; v1@311.83,480.17 ccw(c294.76,497.24) 318.9,497.24 ccw(c343.04,497.24) v1@325.97,480.17 ; v1(318.9,473.1) U1.1@318.9,1299.21
LCD_S1: U1.2 U3.7 | length 2106.3
  Top Layer w8: v1(248.03,492.03) 282.03,492.03 304,514 1068.75,514 1105,477.75 U3.7@1105,195 ; v1@255.1,484.96 cw(c272.17,467.89) 272.17,492.03 cw(c272.17,516.17) v1@255.1,499.1
  Bottom Layer w8: U1.2@236.94,1288.12 cw(c210.16,1261.35) 248.03,1261.35 cw(c285.9,1261.35) U1.2@259.12,1288.12 ; v1@240.96,499.1 ccw(c223.89,516.17) 248.03,516.17 ccw(c272.17,516.17) v1@255.1,499.1 ; v1(248.03,492.03) U1.2@248.03,1299.21
LCD_S2: U1.3 U3.6 | length 2195.5
  Top Layer w8: v1(177.17,505.17) 205.17,505.17 230,530 1075.37,530 1130,475.37 U3.6@1130,195 ; v1@184.24,498.09 cw(c201.31,481.02) 201.31,505.17 cw(c201.31,529.31) v1@184.24,512.24
  Bottom Layer w8: U1.3@166.07,1288.12 cw(c139.3,1261.35) 177.17,1261.35 cw(c215.03,1261.35) U1.3@188.26,1288.12 ; v1@170.09,512.24 ccw(c153.02,529.31) 177.17,529.31 ccw(c201.31,529.31) v1@184.24,512.24 ; v1(177.17,505.17) U1.3@177.17,1299.21
LCD_S3: U1.4 U3.5 | length 2276.2
  Top Layer w8: v1(106.3,524.3) 142.3,524.3 164,546 1082,546 1155,473 U3.5@1155,195 ; v1@113.37,517.23 cw(c130.44,500.16) 130.44,524.3 cw(c130.44,548.44) v1@113.37,531.37
  Bottom Layer w8: U1.4@95.21,1288.12 cw(c68.43,1261.35) 106.3,1261.35 cw(c144.17,1261.35) U1.4@117.39,1288.12 ; v1@99.23,531.37 ccw(c82.16,548.44) 106.3,548.44 ccw(c130.44,548.44) v1@113.37,531.37 ; v1(106.3,524.3) U1.4@106.3,1299.21
LCD_S4: U1.5 U3.4 | length 2403.3
  Top Layer w8: v1(35.43,535.43) 65.43,535.43 92,562 1092.75,562 1180,474.75 U3.4@1180,195 ; v1@42.5,528.36 cw(c59.58,511.29) 59.58,535.43 cw(c59.58,559.58) v1@42.5,542.5
  Bottom Layer w8: U1.5@24.34,1288.12 cw(c-2.43,1261.35) 35.43,1261.35 cw(c73.3,1261.35) U1.5@46.52,1288.12 ; v1@28.36,542.5 ccw(c11.29,559.58) 35.43,559.58 ccw(c59.58,559.58) v1@42.5,542.5 ; v1(35.43,535.43) 35.43,625 75,664.57 75,1209 35.43,1248.57 U1.5@35.43,1299.21
LCD_S5: U1.6 U3.3 | length 2493.5
  Top Layer w8: v1(-35,550) -2,550 26,578 1099.37,578 1205,472.37 U3.3@1205,195 ; v1@-27.93,542.93 cw(c-10.86,525.86) -10.86,550 cw(c-10.86,574.14) v1@-27.93,557.07
  Bottom Layer w8: U1.6@-46.52,1288.12 cw(c-73.3,1261.35) -35.43,1261.35 cw(c2.43,1261.35) U1.6@-24.34,1288.12 ; v1@-42.07,557.07 ccw(c-59.14,574.14) -35,574.14 ccw(c-10.86,574.14) v1@-27.93,557.07 ; U1.6@-35.43,1299.21 -35.43,1247.87 -79,1204.3 -79,674 -35,630 v1(-35,550)